# Altium PCB PCB1.PcbDoc
Units mm, origin at the board's own origin, x right, y up, seen from the top; angles counter-clockwise.
Board outline 205 x 125 mm, 2 copper layers (Top Layer, Bottom Layer); 268 components, 212 nets, 925 pads, 9 vias.
Unrouted connection lines stored in the file: 175.
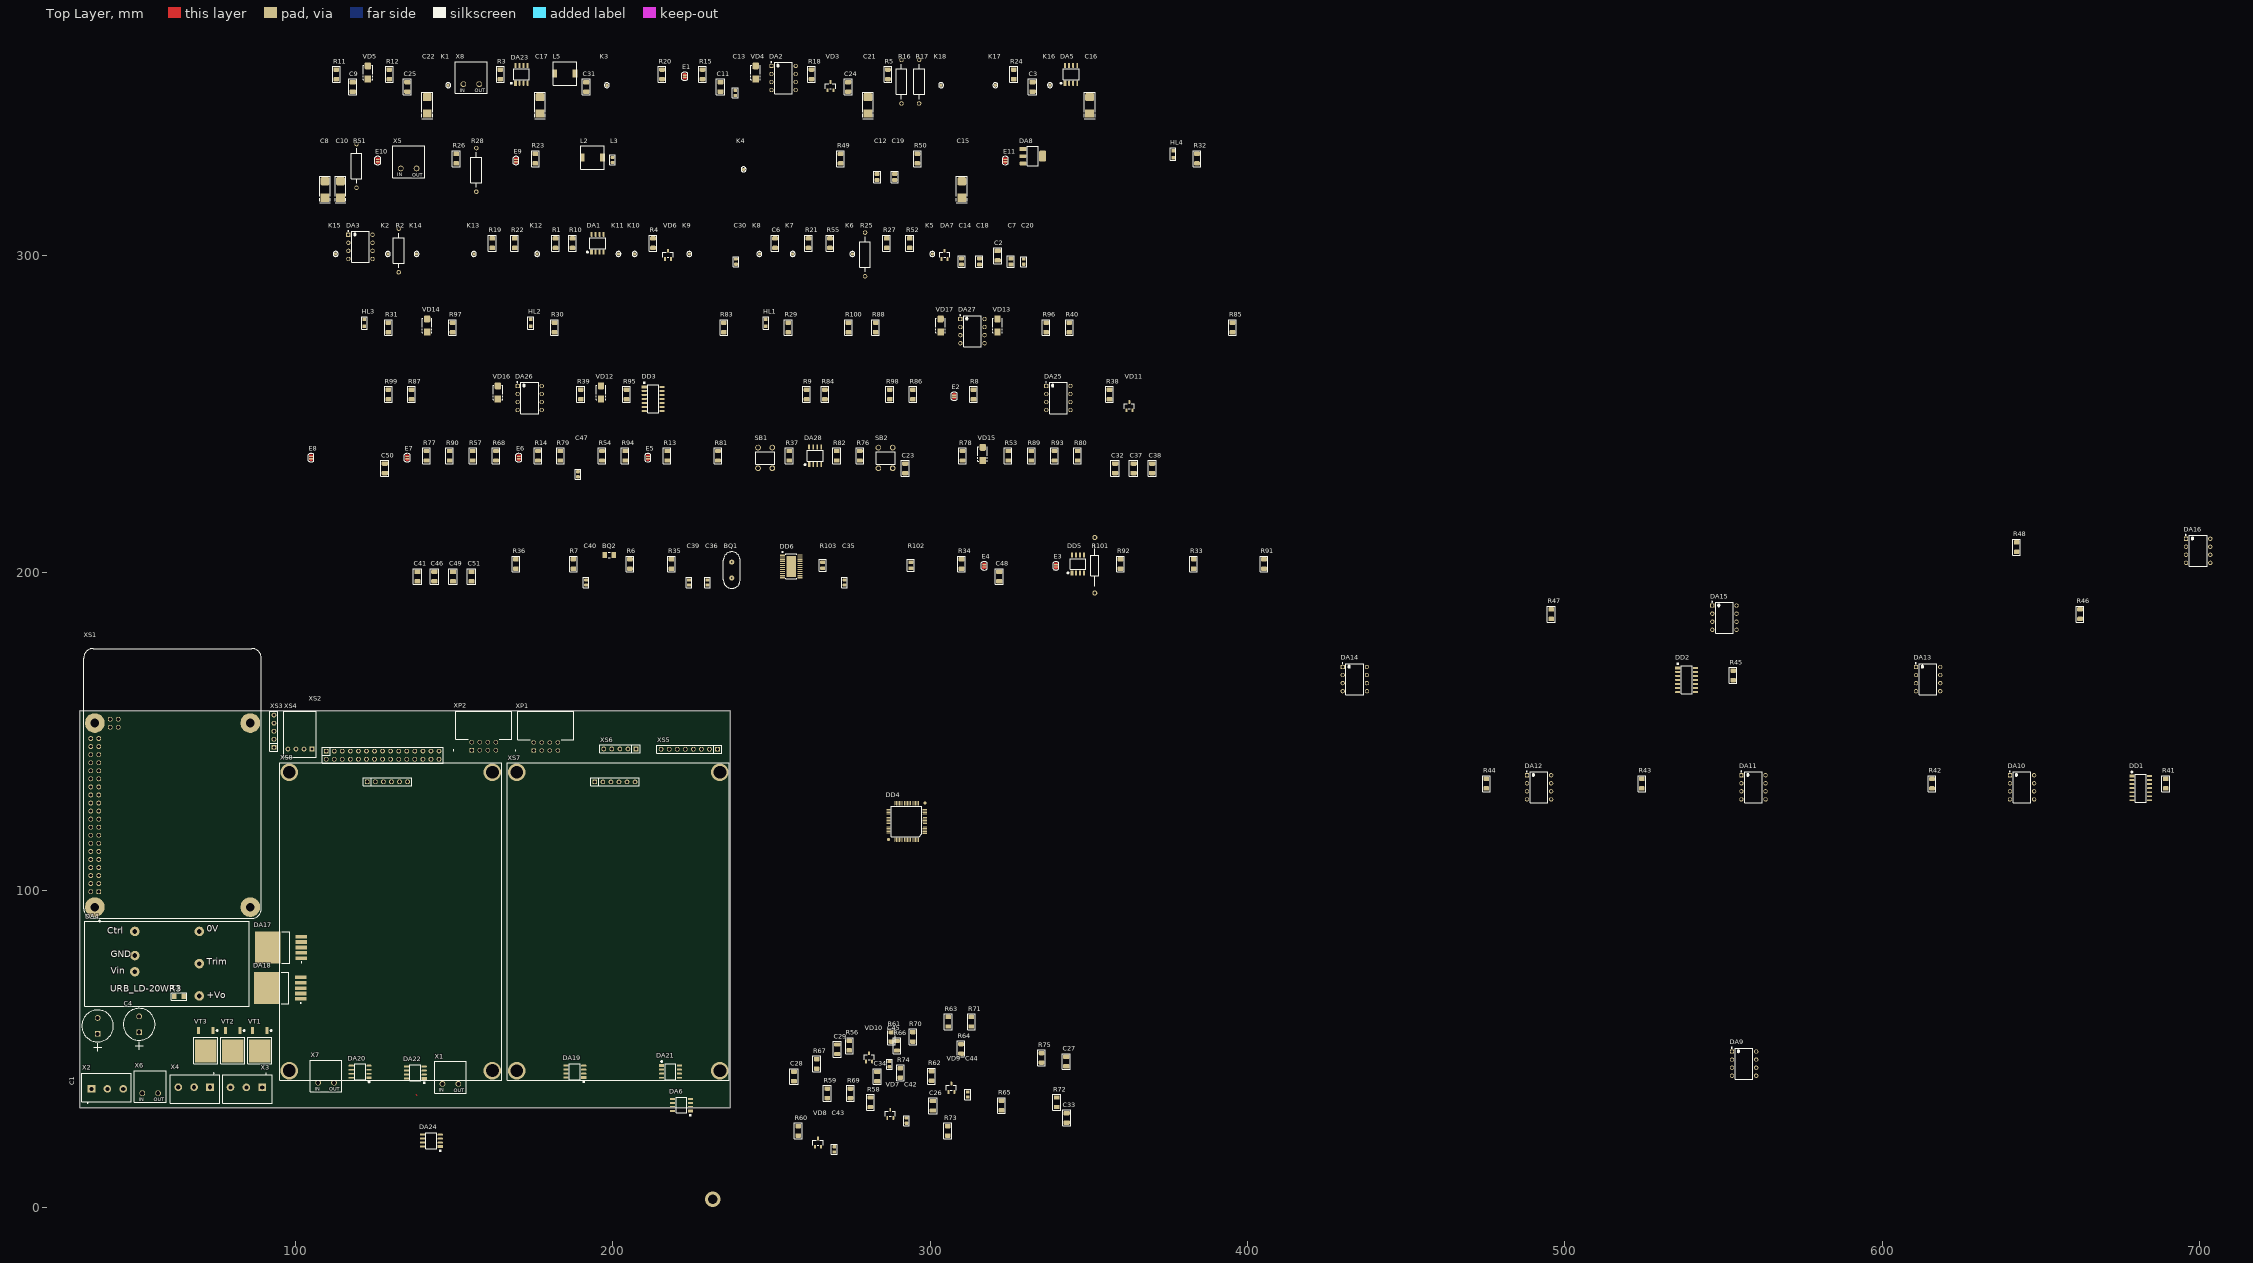
[diagram p0: Top Layer view]
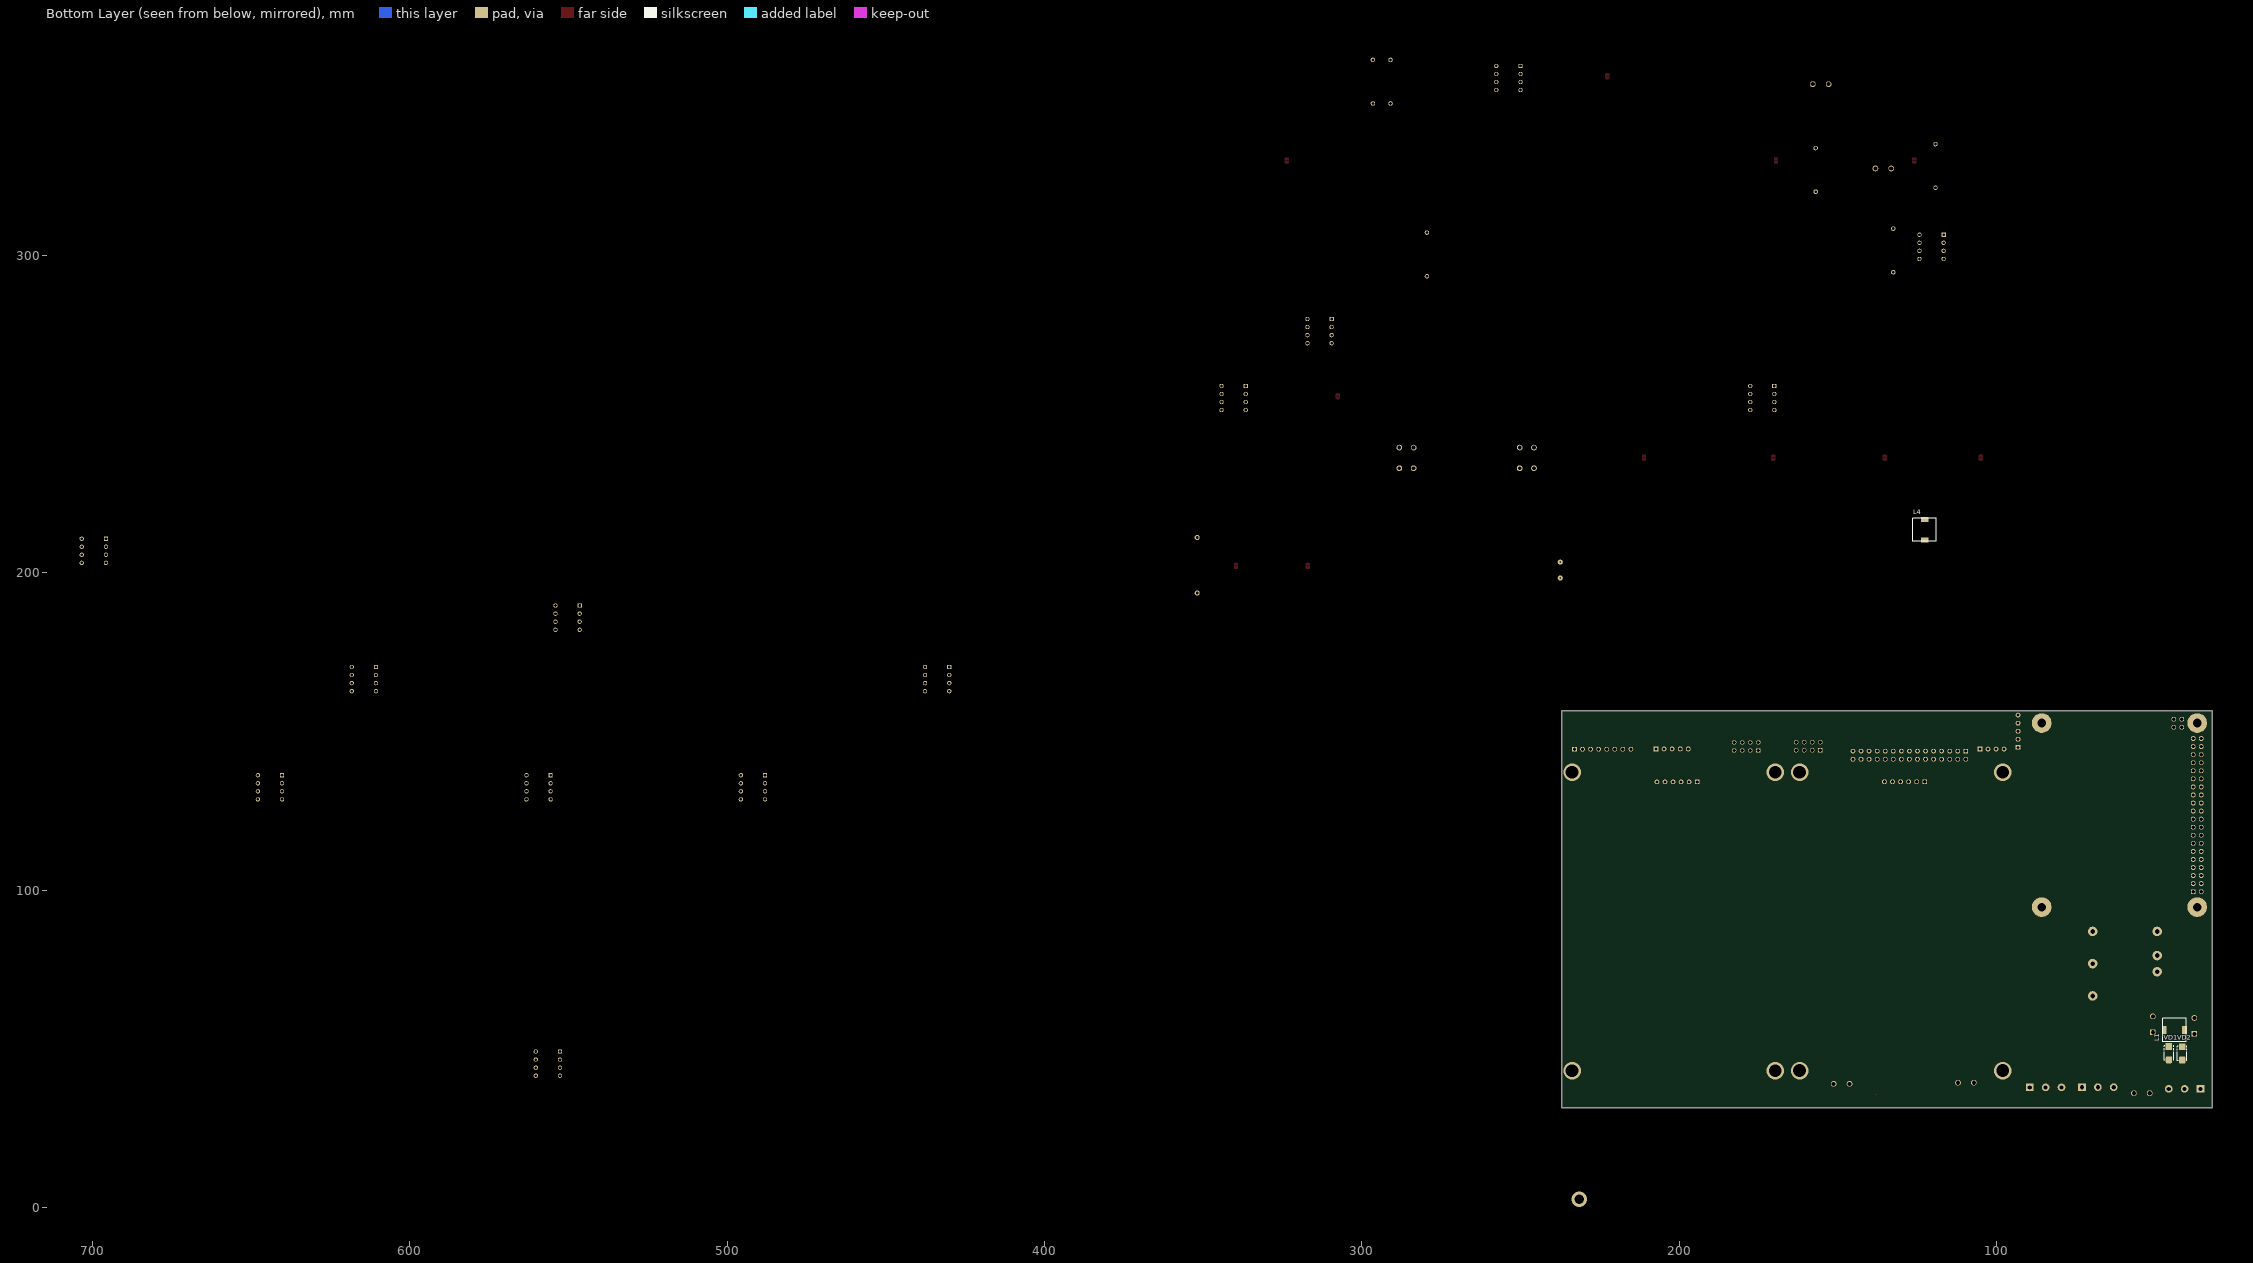
[diagram p1: Bottom Layer view, seen from below]

## Layer stack, top to bottom
Top Solder: solder mask 0.0102, Solder Resist, Dk 3.5
Top Layer: signal copper 0.0356
Dielectric 1: dielectric 0.32, FR-4, Dk 4.8
Bottom Layer: signal copper 0.0356
Bottom Solder: solder mask 0.0102, Solder Resist, Dk 3.5

## Board outline
32,31.5 32,156.5 237,156.5 237,31.5

## Design rules (kind name [scope] priority, off if disabled: settings)
Clearance [All] p1: gap=0.254 ignorepadtopadclearanceinfootprint=FALSE except(0: Arc-Hole Track-Hole SMDPad-Hole THPad-Hole Via-Hole Fill-Hole Poly-Hole Region-Hole Text-Hole)
PolygonConnect [All] p1: connectstyle=Relief reliefconductorwidth=0.254 reliefentries=4 polygonreliefangle="90 Angle" airgapwidth=0.254
RoutingVias [All] p1: holewidth=0.711 width=1.27 viastyle="Through Hole" minholewidth=0.711 minwidth=1.27 maxholewidth=0.711 maxwidth=1.27
SolderMaskExpansion [All] p1: expansion=0.102
Width [All] p1: maxlimit=0.254 minlimit=0.254 preferedwidth=0.254
30 further rules are at their usual default settings.

## Components (designator, comment, footprint, x,y, rotation, side; value= is the part's Value field where it differs from the comment)
BQ1 "Value" HC-49S 237.517,200.86 r90 top
BQ2 "Value" 32768SMD 198.915,205.635 r0 top
C1 "100 мк" Capacitor10x20 37.675,57.225 r90 top
C2 "0,1 мк" C1206 321.322,299.933 r90 top
C3 "0,1 мк" C1206 332.322,353.137 r90 top
C4 "100 мк" Capacitor10x20 50.775,57.725 r90 top
C5 "1000" R1206 63.325,66.525 r180 top
C6 "1000" R1206 251.169,303.883 r90 top
C7 "1 мк" C0805 325.447,298.108 r90 top
C8 "100 мк" "Case C" 109.337,320.778 r90 top
C9 "0,1 мк" C1206 118.087,353.137 r90 top
C10 "100 мк" "Case C" 114.212,320.778 r90 top
C11 "0,1 мк" C1206 233.968,353.137 r90 top
C12 "1 мк" C0805 283.295,324.753 r90 top
C13 "0,01 мк" C0603 238.643,351.262 r90 top
C14 "1 мк" C0805 309.946,298.108 r90 top
C15 "100 мкФ" "Case C" 310.022,320.778 r90 top
C16 "10 мк" "Case C" 350.298,347.312 r90 top
C17 "10 мк" "Case C" 177.065,347.312 r90 top
C18 "1 мк" C0805 315.547,298.108 r90 top
C19 "1 мк" C0805 288.87,324.753 r90 top
C20 "0,01 мк" C0603 329.547,298.058 r90 top
C21 "100 мк" "Case C" 280.42,347.312 r90 top
C22 "100 мк" "Case C" 141.538,347.312 r90 top
C23 "0,1 мк" C1206 292.196,232.94 r90 top
C24 "0,1 мк" C1206 274.195,353.137 r90 top
C25 "0,1 мк" C1206 135.288,353.137 r90 top
C26 "1000" C1206 300.894,32.056 r90 top
C27 "1000" C1206 342.948,46.011 r90 top
C28 "1000" C1206 257.112,41.286 r90 top
C29 "1000" C1206 270.764,49.865 r90 top
C30 "0,01 мк" C0603 238.818,298.058 r90 top
C31 "0,1 мк" C1206 191.641,353.137 r90 top
C32 "0,1 мк" C1206 358.324,232.94 r90 top
C33 "0,1 мк" C1206 343.046,28.231 r90 top
C34 "0,1 мк" C1206 283.388,41.286 r90 top
C35 "GRM1885C1H220JA01D" C0603 273.068,196.96 r90 top value=22
C36 "GRM1885C1H220JA01D" C0603 229.866,196.96 r90 top value=22
C37 "0,1 мк" C1206 364.149,232.94 r90 top
C38 "0,1 мк" C1206 370,232.94 r90 top
C39 "GRM1885C1H120JA01D" C0603 224.041,196.96 r90 top value=12
C40 "GRM1885C1H120JA01D" C0603 191.614,196.96 r90 top value=12
C41 "0,1 мк" C1206 138.487,198.835 r90 top
C42 "0,01 мк" C0603 292.623,27.356 r90 top
C43 "0,01 мк" C0603 269.837,18.331 r90 top
C44 "0,01 мк" C0603 311.865,35.611 r90 top
C45 "0,01 мк" C0603 287.244,45.165 r90 top
C46 "4,7 мк" C1206 143.812,198.835 r90 top
C47 "0,01 мк" C0603 189.016,231.064 r90 top
C48 "0,1 мк" C1206 321.796,198.835 r90 top
C49 "0,1 мк" C1206 149.662,198.835 r90 top
C50 "1000" C1206 128.188,232.94 r90 top
C51 "0,1 мк" C1206 155.488,198.835 r90 top
DA1 "LM358ADR" SOIC-8 195.241,303.883 r90 top
DA2 "6N136" 6N136 253.844,355.937 r0 top
DA3 "6N136" 6N136 120.512,302.733 r0 top
DA4 "Part Number" URB_LD-20WR3 59.56,76.84 r0 top
DA5 "OPA-2-8p" SOIC-8 344.473,357.087 r90 top value=LMV358IDR
DA6 "OPA-2-8p" SOIC-8 221.65,32.28 r180 top value=LMV358IDR
DA7 "ManufacturerPartNumber" SOT-23-3 304.596,300.183 r90 top value=TL431IDBZR.215
DA8 "ManufacturerPartNumber" SOT-223-3 332.373,331.303 r0 top
DA9 "6N136" 6N136 556.537,45.331 r0 top
DA10 "6N136" 6N136 644.121,132.41 r0 top
DA11 "6N136" 6N136 559.492,132.41 r0 top
DA12 "6N136" 6N136 491.914,132.41 r0 top
DA13 "6N136" 6N136 614.521,166.515 r0 top
DA14 "6N136" 6N136 433.863,166.515 r0 top
DA15 "6N136" 6N136 550.343,185.869 r0 top
DA16 "6N136" 6N136 699.625,206.949 r0 top
DA17 "LM2576S-5.0" TO-263-5 95.45,81.95 r180 top
DA18 "LM2576S-5.0" TO-263-5 95.25,69.125 r180 top
DA19 "ACS712ELCTR-05B-T" SOIC-8 188.075,42.81 r180 top
DA20 "ACS712ELCTR-05B-T" SOIC-8 120.4,42.775 r180 top
DA21 "ACS712ELCTR-05B-T" SOIC-8 218.2,42.8 r0 top
DA22 "ACS712ELCTR-05B-T" SOIC-8 137.8,42.515 r180 top
DA23 "OPA-2-8p" SOIC-8 171.265,357.087 r90 top value=LMV358IDR
DA24 "OPA-2-8p" SOIC-8 142.85,21.08 r180 top value=LMV358IDR
DA25 "6N136" 6N136 340.448,255.094 r0 top
DA26 "6N136" 6N136 173.84,255.094 r0 top
DA27 "6N136" 6N136 313.372,276.174 r0 top
DA28 "ACS712ELCTR-05B-T" SOIC-8 263.82,236.89 r90 top
DD1 "ManufacturerPartNumber" SOIC-14 681.523,132.135 r0 top value=SN74HC00D
DD2 "ManufacturerPartNumber" SOIC-14 538.418,166.24 r0 top value=SN74HC00D
DD3 "ManufacturerPartNumber" SOIC-14 212.742,254.794 r0 top value=SN74HC00D
DD4 "Микроконтроллер" LQFP-64 292.65,121.7 r180 top
DD5 "MCP2551" SOIC-8 346.647,202.785 r90 top
DD6 "74LVC4245APW,118" TSSOP-24 256.267,202.01 r0 top
E1 "ManufacturerPartNumber" E2 222.692,356.487 r90 top
E2 "ManufacturerPartNumber" E2 307.596,255.644 r90 top
E3 "ManufacturerPartNumber" E2 339.672,202.185 r90 top
E4 "ManufacturerPartNumber" E2 317.07,202.185 r90 top
E5 "ManufacturerPartNumber" E2 211.092,236.29 r90 top
E6 "ManufacturerPartNumber" E2 170.365,236.29 r90 top
E7 "ManufacturerPartNumber" E2 135.238,236.29 r90 top
E8 "ManufacturerPartNumber" E2 104.962,236.29 r90 top
E9 "ManufacturerPartNumber" E2 169.54,329.928 r90 top
E10 "ManufacturerPartNumber" E2 125.963,329.928 r90 top
E11 "ManufacturerPartNumber" E2 323.747,329.928 r90 top
HL1 "KP-2012SURCK" LED0805 248.294,278.774 r90 top
HL2 "KP-2012SGC" LED0805 174.14,278.774 r90 top
HL3 "KP-2012SYCK" LED0805 121.762,278.774 r90 top
HL4 "KP-2012SYCK" LED0805 376.6,331.978 r90 top
K1 "*" E1(1mm) 148.138,353.662 r90 top
K2 "*" E1(1mm) 129.138,300.483 r90 top
K3 "*" E1(1mm) 198.141,353.662 r90 top
K4 "*" E1(1mm) 241.243,327.128 r90 top
K5 "*" E1(1mm) 300.721,300.483 r90 top
K6 "*" E1(1mm) 275.545,300.483 r90 top
K7 "*" E1(1mm) 256.719,300.483 r90 top
K8 "*" E1(1mm) 246.218,300.483 r90 top
K9 "*" E1(1mm) 224.142,300.483 r90 top
K10 "*" E1(1mm) 206.916,300.483 r90 top
K11 "*" E1(1mm) 201.816,300.483 r90 top
K12 "*" E1(1mm) 176.19,300.483 r90 top
K13 "*" E1(1mm) 156.239,300.483 r90 top
K14 "*" E1(1mm) 138.188,300.483 r90 top
K15 "*" E1(1mm) 112.712,300.483 r90 top
K16 "*" E1(1mm) 337.798,353.662 r90 top
K17 "*" E1(1mm) 320.597,353.662 r90 top
K18 "*" E1(1mm) 303.471,353.662 r90 top
L1 "4,7 мкГн" B82472G6472M000 43.975,55.925 r0 bottom
L2 "4,7 мкГн" B82472G6472M000 193.566,330.853 r0 top
L3 "18 мГн" R0603 199.966,330.128 r90 top
L4 "4,7 мкГн" B82472G6472M000 122.65,213.575 r270 bottom
L5 "4,7 мкГн" B82472G6472M000 184.915,357.412 r0 top
R1 "100 к" R1206 181.965,303.883 r90 top
R2 "20 к" С2-29В 132.563,294.707 r90 top
R3 "0" R1206 164.589,357.087 r90 top
R4 "30 к" R1206 212.717,303.883 r90 top
R5 "0" R1206 286.72,357.087 r90 top
R6 "1 к" R1206 205.415,202.785 r90 top
R7 "1 к" R1206 187.589,202.785 r90 top
R8 "1 к" R1206 313.697,256.219 r90 top
R9 "1 к" R1206 261.094,256.219 r90 top
R10 "2 к" R1206 187.315,303.883 r90 top
R11 "100 к" R1206 112.912,357.087 r90 top
R12 "100 к" R1206 129.613,357.087 r90 top
R13 "150" R1206 217.167,236.89 r90 top
R14 "150" R1206 176.44,236.89 r90 top
R15 "0" R1206 228.267,357.087 r90 top
R16 "8,25 к" С2-29В 290.995,347.912 r90 top
R17 "9,09 к" С2-29В 296.571,347.912 r90 top
R18 "10 к" R1206 262.644,357.087 r90 top
R19 "10 к" R1206 162.039,303.883 r90 top
R20 "100 к" R1206 215.542,357.087 r90 top
R21 "0" R1206 261.669,303.883 r90 top
R22 "100 к" R1206 169.09,303.883 r90 top
R23 "200" R1206 175.615,330.528 r90 top
R24 "2 к" R1206 326.397,357.087 r90 top
R25 "100 к" С2-29В 279.52,293.457 r90 top
R26 "2,2 к" R1206 150.689,330.528 r90 top
R27 "10 к" R1206 286.32,303.883 r90 top
R28 "715" С2-29В 157.014,320.103 r90 top
R29 "1 к" R1206 255.319,277.324 r90 top
R30 "1 к" R1206 181.665,277.324 r90 top
R31 "1 к" R1206 129.288,277.324 r90 top
R32 "1 к" R1206 384.125,330.528 r90 top
R33 "1 к" R1206 383.074,202.785 r90 top
R34 "1 к" R1206 309.92,202.785 r90 top
R35 "1 к" R1206 218.491,202.785 r90 top
R36 "1 к" R1206 169.488,202.785 r90 top
R37 "1 к" R1206 255.619,236.89 r90 top
R38 "1 к" R1206 356.549,256.219 r90 top
R39 "1 к" R1206 189.941,256.219 r90 top
R40 "1 к" R1206 343.898,277.324 r90 top
R41 "10 к" R1206 689.423,133.56 r90 top
R42 "10 к" R1206 615.745,133.56 r90 top
R43 "10 к" R1206 524.315,133.56 r90 top
R44 "10 к" R1206 475.313,133.56 r90 top
R45 "10 к" R1206 553.093,167.665 r90 top
R46 "10 к" R1206 662.398,186.994 r90 top
R47 "10 к" R1206 495.765,186.994 r90 top
R48 "10 к" R1206 642.422,208.099 r90 top
R49 "10 к" R1206 271.795,330.528 r90 top
R50 "10 к" R1206 296.021,330.528 r90 top
R51 "23 к" С2-29В 119.262,321.353 r90 top
R52 "10 к" R1206 293.621,303.883 r90 top
R53 "10 к" R1206 324.622,236.89 r90 top
R54 "10 к" R1206 196.641,236.89 r90 top
R55 "2 к" R1206 268.444,303.883 r90 top
R56 "10 к" R1206 274.569,50.991 r90 top
R57 "10 к" R1206 155.914,236.89 r90 top
R58 "10 к" R1206 281.222,33.157 r90 top
R59 "10 к" R1206 267.617,35.982 r90 top
R60 "10 к" R1206 258.462,24.132 r90 top
R61 "10 к" R1206 287.796,53.786 r90 top
R62 "10 к" R1206 300.489,41.411 r90 top
R63 "10 к" R1206 305.724,58.541 r90 top
R64 "10 к" R1206 309.766,49.991 r90 top
R65 "10 к" R1206 322.52,32.157 r90 top
R66 "10 к" R1206 289.575,50.961 r90 top
R67 "10 к" R1206 264.287,45.236 r90 top
R68 "10 к" R1206 163.215,236.89 r90 top
R69 "10 к" R1206 274.918,35.982 r90 top
R70 "10 к" R1206 294.571,53.786 r90 top
R71 "10 к" R1206 313.024,58.541 r90 top
R72 "2 к" R1206 339.925,33.157 r90 top
R73 "2 к" R1206 305.564,24.132 r90 top
R74 "2 к" R1206 290.643,42.411 r90 top
R75 "2 к" R1206 335.147,47.166 r90 top
R76 "100 к" R1206 277.895,236.89 r90 top
R77 "100 к" R1206 141.314,236.89 r90 top
R78 "100 к" R1206 310.222,236.89 r90 top
R79 "100 к" R1206 183.491,236.89 r90 top
R80 "100 к" R1206 346.524,236.89 r90 top
R81 "100 к" R1206 233.168,236.89 r90 top
R82 "2 к" R1206 270.595,236.89 r90 top
R83 "100 к" R1206 235.018,277.324 r90 top
R84 "100 к" R1206 266.869,256.219 r90 top
R85 "100 к" R1206 395.301,277.324 r90 top
R86 "1 к" R1206 294.596,256.219 r90 top
R87 "1 к" R1206 136.588,256.219 r90 top
R88 "1 к" R1206 282.87,277.324 r90 top
R89 "10 к" R1206 331.923,236.89 r90 top
R90 "10 к" R1206 148.614,236.89 r90 top
R91 "150" R1206 405.25,202.785 r90 top
R92 "150" R1206 360.023,202.785 r90 top
R93 "10 к" R1206 339.223,236.89 r90 top
R94 "10 к" R1206 203.917,236.89 r90 top
R95 "10 к" R1206 204.366,256.219 r90 top
R96 "10 к" R1206 336.598,277.324 r90 top
R97 "10 к" R1206 149.539,277.324 r90 top
R98 "1 к" R1206 287.32,256.219 r90 top
R99 "1 к" R1206 129.288,256.219 r90 top
R100 "1 к" R1206 274.295,277.324 r90 top
R101 "280k" С2-29В-0.062 351.922,193.61 r90 top
R102 "4,7 к" R0805 293.944,202.385 r90 top
R103 "4,7 к" R0805 266.168,202.385 r90 top
SB1 "Value" KLS7-TS6601-7.0-180 248.044,236.215 r0 top
SB2 "Value" KLS7-TS6601-7.0-180 285.971,236.215 r0 top
VD1 "Value" B340A 45.7,48.625 r270 bottom
VD2 "Value" B340A 41.525,48.55 r270 bottom
VD3 "Suppressor" SOT-23-3 268.619,353.387 r90 top value=BZX84-C3V3
VD4 "Value" B340A 245.068,357.662 r90 top
VD5 "Value" B340A 122.837,357.662 r90 top
VD6 "Suppressor" SOT-23-3 217.417,300.183 r90 top value=BZX84-C3V3
VD7 "Suppressor" SOT-23-3 287.472,29.481 r90 top value=BZX84-C3V3
VD8 "Suppressor" SOT-23-3 264.687,20.456 r90 top value=BZX84-C3V3
VD9 "Suppressor" SOT-23-3 306.714,37.736 r90 top value=BZX84-C3V3
VD10 "Suppressor" SOT-23-3 280.819,47.315 r90 top value=BZX84-C3V3
VD11 "Suppressor" SOT-23-3 362.799,252.544 r90 top value=BZX84-C3V3
VD12 "Value" B340A 196.316,256.819 r90 top
VD13 "Value" B340A 321.272,277.924 r90 top
VD14 "Value" B340A 141.513,277.924 r90 top
VD15 "Value" B340A 316.597,237.465 r90 top
VD16 "Value" B340A 163.789,256.819 r90 top
VD17 "Value" B340A 303.321,277.924 r90 top
VT1 "IRFR024NTR" DPAK 88.75,51.25 r270 top
VT2 "IRFR024NTR" DPAK 80.25,51.25 r270 top
VT3 "IRFR024NTR" DPAK 71.75,51.25 r270 top
X1 "KLS2-301R-5.00-02P-2S" KLS2-301R-5.00-02P-2S 146.35,38.95 r0 top
X2 "KLS2-300-5.00-03P-2S" KLS2-300-5.00-03P-2S 35.75,37.375 r0 top
X3 "KLS2-300-5.00-03P-2S" KLS2-300-5.00-03P-2S 89.55,37.85 r180 top
X4 "KLS2-300-5.00-03P-2S" KLS2-300-5.00-03P-2S 73.1,37.9 r180 top
X5 "KLS2-301R-5.00-02P-2S" KLS2-301R-5.00-02P-2S 133.188,327.428 r0 top
X6 "KLS2-301R-5.00-02P-2S" KLS2-301R-5.00-02P-2S 51.75,36 r0 top
X7 "KLS2-301R-5.00-02P-2S" KLS2-301R-5.00-02P-2S 107.175,39.325 r0 top
X8 "KLS2-301R-5.00-02P-2S" KLS2-301R-5.00-02P-2S 152.939,353.987 r0 top
XP1 "IDC-08MR" SAMTEC_TST-104-04-T-D-RA 175.085,144.01 r0 top
XP2 "IDC-08MR" SAMTEC_TST-104-04-T-D-RA 155.55,144.085 r0 top
XS1 "PBD-40" RPI4B 61.28,133.645 r90 top
XS2 "PBD-30" PBD-30 109.7,143.81 r0 top
XS3 "PBS-5" PBS-5 93.25,150.085 r90 top
XS4 "PBS-4" type-c 102.715,144.45 r180 top
XS5 "PBS-8" PBS-8 225.415,144.425 r180 top
XS6 "PBS-5" PBS-5 202.25,144.5 r180 top
XS7 "CON-6F driver" driver 194.45,46.125 r0 top
XS8 "CON-6F driver" driver 122.75,46.15 r0 top
